# Altium PCB 8路分区电源管理器PCB.PcbDoc (part 1 of 2)
Units mm, origin at the board's own origin, x right, y up, seen from the top; angles counter-clockwise.
Board outline 138.9 x 76.5 mm, 2 copper layers (Top Layer, Bottom Layer); 98 components, 88 nets, 403 pads, 242 vias.
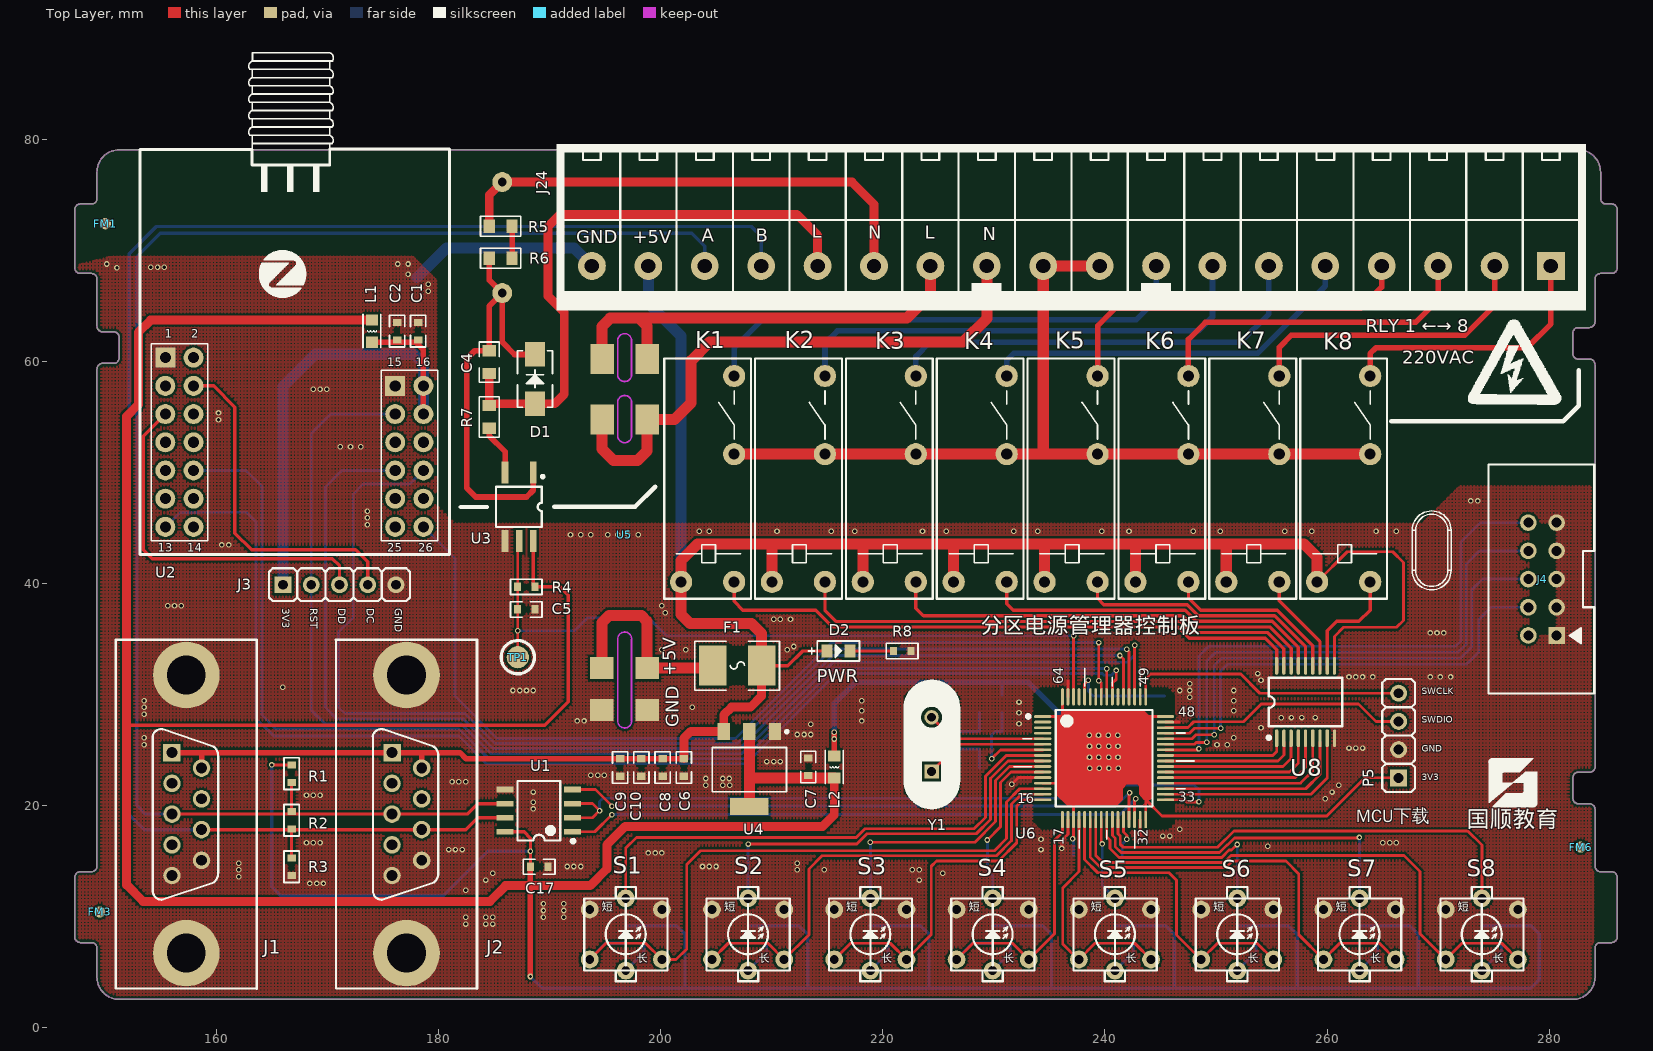
[diagram p0: Top Layer view]
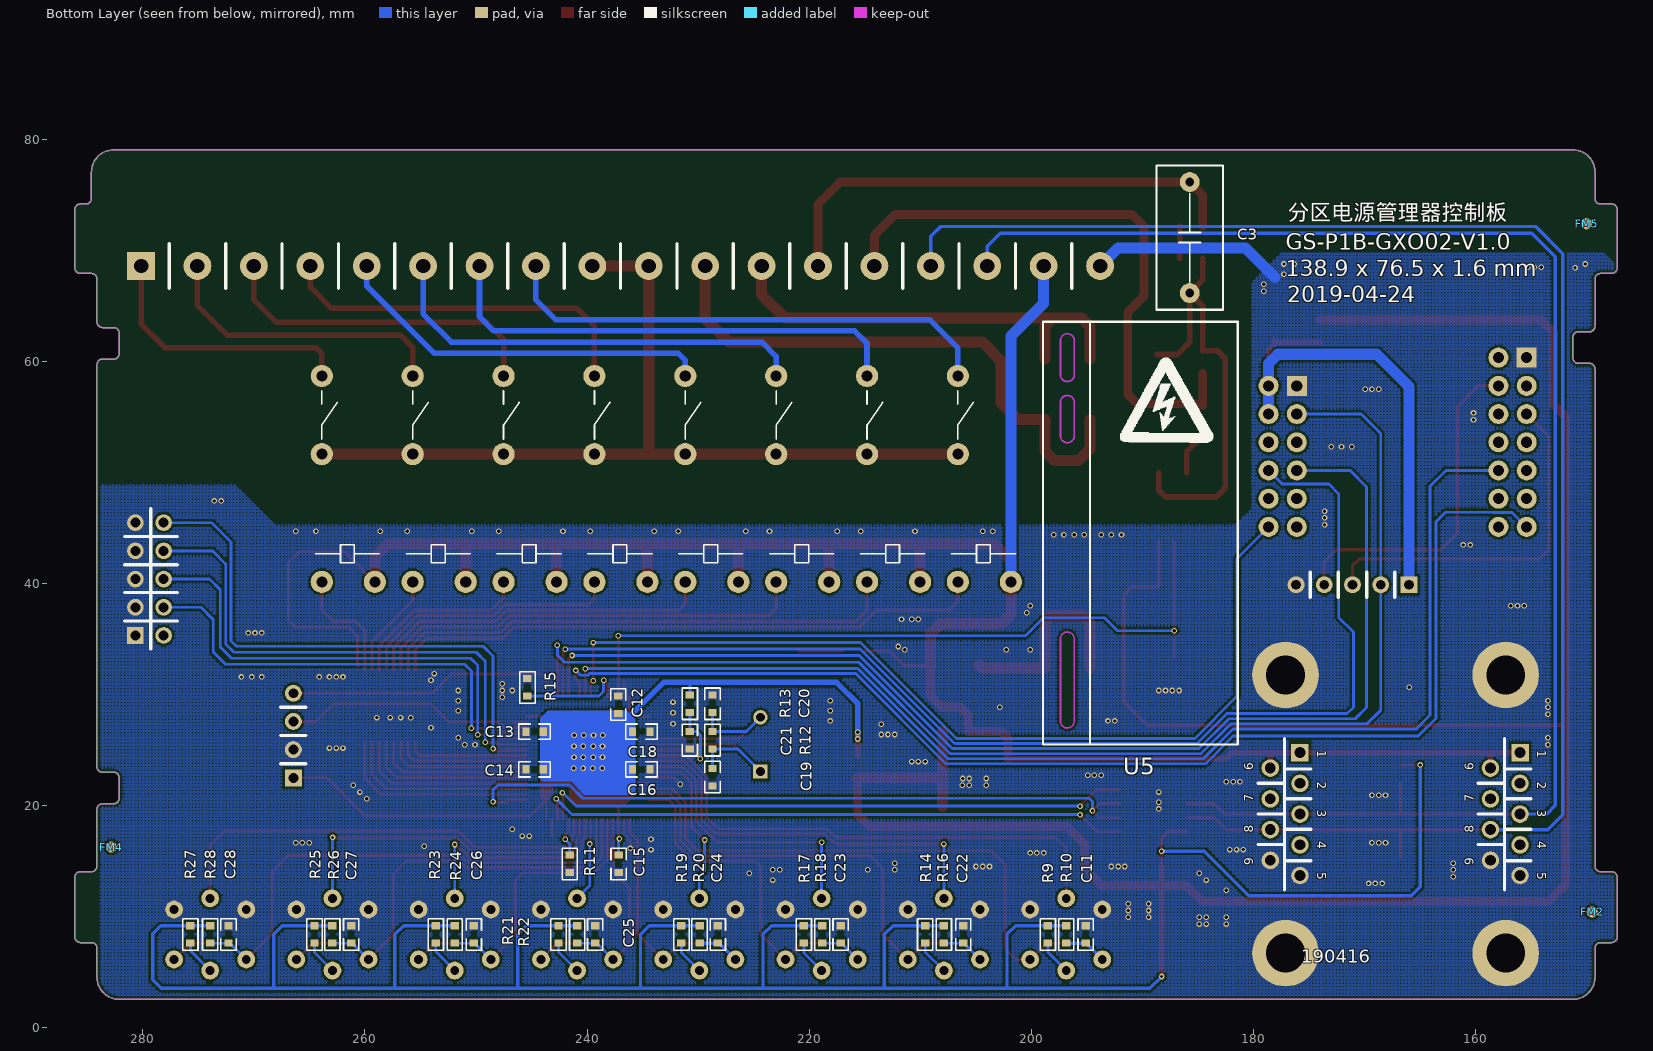
[diagram p1: Bottom Layer view, seen from below]

## Layer stack, top to bottom
Top Solder: solder mask 0.0102, Solder Resist, Dk 3.5
Top Layer: signal copper 0.0356
Dielectric1: dielectric 0.32, FR-4, Dk 4.8
Bottom Layer: signal copper 0.0356
Bottom Solder: solder mask 0.0102, Solder Resist, Dk 3.5

## Board outline
147.73,7.654 148.73,7.654 cw(c148.73,7.154) 149.23,7.154 149.23,4.535 ccw(c151.23,4.535) 151.23,2.535 282.13,2.535 ccw(c282.13,4.535) 284.13,4.535 284.13,7.154 cw(c284.63,7.154) 284.63,7.654 285.63,7.654 ccw(c285.63,8.154) 286.13,8.154 286.13,13.535 ccw(c285.63,13.535) 285.63,14.035 284.63,14.035 cw(c284.63,14.535) 284.13,14.535 284.13,19.651 ccw(c283.63,19.651) 283.63,20.151 282.638,20.151 cw(c282.638,20.651) 282.138,20.651 282.138,22.495 cw(c282.638,22.495) 282.638,22.995 283.638,22.995 ccw(c283.638,23.495) 284.138,23.495 284.138,59.691 284.13,59.691 ccw(c283.63,59.691) 283.63,60.191 282.63,60.191 cw(c282.63,60.691) 282.13,60.691 282.13,62.535 cw(c282.63,62.535) 282.63,63.035 283.63,63.035 ccw(c283.63,63.535) 284.13,63.535 284.13,67.408 cw(c284.63,67.408) 284.63,67.908 285.63,67.908 ccw(c285.63,68.408) 286.13,68.408 286.13,73.662 ccw(c285.63,73.662) 285.63,74.162 285.13,74.162 cw(c285.13,74.662) 284.63,74.662 284.63,77.035 ccw(c282.63,77.035) 282.63,79.035 151.23,79.035 ccw(c151.23,77.035) 149.23,77.035 149.23,74.662 cw(c148.73,74.662) 148.73,74.162 147.73,74.162 ccw(c147.73,73.662) 147.23,73.662 147.23,68.408 ccw(c147.73,68.408) 147.73,67.908 148.73,67.908 cw(c148.73,67.408) 149.23,67.408 149.23,63.154 ccw(c149.73,63.154) 149.73,62.654 150.73,62.654 cw(c150.73,62.154) 151.23,62.154 151.23,60.31 cw(c150.73,60.31) 150.73,59.81 149.73,59.81 ccw(c149.73,59.31) 149.23,59.31 149.23,14.535 cw(c148.73,14.535) 148.73,14.035 147.73,14.035 ccw(c147.73,13.535) 147.23,13.535 147.23,8.154 ccw(c147.73,8.154)

## Design rules (kind name [scope] priority, off if disabled: settings)
Clearance [All] p1: gap=0.203 ignorepadtopadclearanceinfootprint=FALSE except(0: Arc-Hole Track-Hole SMDPad-Hole THPad-Hole Via-Hole Fill-Hole Poly-Hole Region-Hole Text-Hole)
PolygonConnect [All] p1: connectstyle=Direct reliefconductorwidth=0.254 reliefentries=4 polygonreliefangle="90 Angle" airgapwidth=0.254
RoutingVias [All] p1: holewidth=0.711 width=1.27 viastyle="Through Hole" minholewidth=0.711 minwidth=1.27 maxholewidth=0.711 maxwidth=1.27
SilkToSilkClearance [All] p1: silktosilkclearance=0.15
SilkToSolderMaskClearance SilkscreenOverComponentPads [IsPad] p1: minsilkscreentomaskgap=0.15 clearancetoexposedcopper=TRUE
SolderMaskExpansion [All] p1: expansion=0.102
Width [All] p1: maxlimit=4 minlimit=0.254 preferedwidth=0.254
28 further rules are at their usual default settings.

## Classes and differential pairs
component class KEY: C11 C22 C23 C24 C25 C26 C27 C28 R9 R10 R14 R16 R17 R18 R19 R20 R21 R22 R23 R24 R25 R26 R27 R28 S1 S2 S3 S4 S5 S6 S7 S8
component class 继电器输出: K1 K2 K3 K4 K5 K6 K7 K8 U8
component class 总图: J24
component class U_POWER: C6 C7 C8 C9 C10 D2 F1 FM1 FM2 FM3 FM4 FM5 FM6 R8 U4 U5
component class "U_Peripheral CONNECTORS": C1 C2 C3 C4 C5 C17 D1 J1 J2 J3 L1 R1 R2 R3 R4 R5 R6 R7 TP1 U1 U2 U3
net class S-LED[1..8]: S-LED1 S-LED2 S-LED3 S-LED4 S-LED5 S-LED6 S-LED7 S-LED8
net class KEY[1..8]: KEY1 KEY2 KEY3 KEY4 KEY5 KEY6 KEY7 KEY8
net class CON[1..8]: CON1 CON2 CON3 CON4 CON5 CON6 CON7 CON8
net class AC_CON[1..8]: AC_CON1 AC_CON2 AC_CON3 AC_CON4 AC_CON5 AC_CON6 AC_CON7 AC_CON8
component class U_MCU: C12 C13 C14 C15 C16 C18 C19 C20 C21 J4 L2 P5 R11 R12 R13 R15 U6 Y1

## Components (designator, comment, footprint, x,y, rotation, side; value= is the part's Value field where it differs from the comment)
C1 "10nF" C0603 178.156,62.713 r270 top
C2 "1uF" C0603 176.251,62.713 r90 top
C3 "473/250V" CBB-10/13X6 185.725,76.142 r270 bottom
C4 "10uF" C0805 184.556,59.919 r270 top
C5 "10uF" C0603 187.884,37.649 r180 top
C6 "100nF" C0603 202.082,23.419 r90 top
C7 "10uF" C0603 213.284,23.47 r270 top
C8 "100nF" C0603 200.169,23.419 r90 top
C9 "10uF" C0603 196.342,23.419 r90 top
C10 "10uF" C0603 198.255,23.419 r90 top
C11 "100nF" C0603 195.108,8.382 r270 bottom
C12 "10uF" C0603 237.185,29.083 r270 bottom
C13 "100nF" C0603 244.729,26.645 r0 bottom
C14 "100nF" C0603 244.729,23.241 r0 bottom
C15 "100nF" C0603 237.16,14.732 r90 bottom
C16 "100nF" C0603 235.102,23.241 r0 bottom
C17 "100nF" C0603 189.052,14.478 r0 top
C18 "100nF" C0603 235.102,26.645 r180 bottom
C19 "20pF" C0603 228.702,22.555 r270 bottom
C20 "20pF" C0603 228.702,29.159 r90 bottom
C21 "100nF" C0603 230.734,25.883 r270 bottom
C22 "100nF" C0603 206.121,8.382 r270 bottom
C23 "100nF" C0603 217.17,8.382 r270 bottom
C24 "100nF" C0603 228.219,8.382 r270 bottom
C25 "100nF" C0603 239.268,8.382 r270 bottom
C26 "100nF" C0603 250.19,8.382 r270 bottom
C27 "100nF" C0603 261.239,8.382 r270 bottom
C28 "100nF" C0603 272.288,8.382 r270 bottom
D1 "SS14-SMA" DO-214AC/SMA/SOD106 188.671,58.395 r270 top
D2 "红色" LED0805-R 216.002,33.909 r180 top
F1 "3A/5V-1812" F1812 206.883,32.588 r0 top
FM1 "MARK" FIDUCAL_MARK 149.987,72.39 r90 top
FM2 "MARK" FIDUCAL_MARK 149.479,10.414 r90 bottom
FM3 "MARK" FIDUCAL_MARK 149.479,10.414 r90 top
FM4 "MARK" FIDUCAL_MARK 282.829,16.256 r90 bottom
FM5 "MARK" FIDUCAL_MARK 149.987,72.39 r90 bottom
FM6 "MARK" FIDUCAL_MARK 282.829,16.256 r90 top
J1 "DB9-PCB-F" DB9-PCB-F 155.979,24.76 r90 top locked
J2 "DB9-PCB-F" DB9-PCB-F 175.802,24.76 r90 top locked
J3 "HDRM-2.54/11-1*5P-AK" HDRM-2.54-1*5P-AK1 165.989,39.878 r0 top
J4 "DC3-10P" DC3-2*5-2.54-M 280.67,35.306 r90 top
J24 "KF2EDGK5.08-18P" KF2EDGKG5.08-18P 280.162,68.58 r180 top locked
K1 "HF46F/5HS1" RELAY_HF46F 206.605,58.674 r90 top
K2 "HF46F/5HS1" RELAY_HF46F 214.787,58.674 r90 top
K3 "HF46F/5HS1" RELAY_HF46F 222.969,58.674 r90 top
K4 "HF46F/5HS1" RELAY_HF46F 231.152,58.674 r90 top
K5 "HF46F/5HS1" RELAY_HF46F 239.334,58.674 r90 top
K6 "HF46F/5HS1" RELAY_HF46F 247.517,58.674 r90 top
K7 "HF46F/5HS1" RELAY_HF46F 255.699,58.674 r90 top
K8 "HF46F/5HS1" RELAY_HF46F 263.881,58.674 r90 top
L1 "742792042" L0805 173.99,62.713 r270 top
L2 "742792042" L0805 215.621,23.47 r270 top
P5 "HDRM-2.54/11-1*4P-AK" HDRM-2.54-1*4P-AK1 266.446,22.489 r90 top
R1 "5.6k" R0603 166.751,22.86 r90 top
R2 "120Ω" R0603 166.751,18.669 r90 top
R3 "5.6k" R0603 166.751,14.478 r90 top
R4 "10K" R0603 187.884,39.681 r180 top
R5 "510K" R0805 185.582,72.161 r0 top
R6 "510K" R0805 185.582,69.266 r180 top
R7 "1K" R0805 184.556,54.991 r270 top
R8 "2K" R0603 221.742,33.909 r180 top
R9 "300Ω" R0603 198.501,8.382 r270 bottom
R10 "10K" R0603 196.85,8.382 r270 bottom
R11 "10K" R0603 241.554,14.732 r90 bottom
R12 "1M" R0603 228.702,25.883 r90 bottom
R13 "10K" R0603 230.734,29.159 r90 bottom
R14 "300Ω" R0603 209.55,8.382 r270 bottom
R15 "10K" R0603 245.364,30.632 r270 bottom
R16 "10K" R0603 207.863,8.382 r270 bottom
R17 "300Ω" R0603 220.472,8.382 r270 bottom
R18 "10K" R0603 218.821,8.382 r270 bottom
R19 "300Ω" R0603 231.496,8.382 r270 bottom
R20 "10K" R0603 229.87,8.382 r270 bottom
R21 "300Ω" R0603 242.57,8.382 r270 bottom
R22 "10K" R0603 240.901,8.382 r270 bottom
R23 "300Ω" R0603 253.619,8.382 r270 bottom
R24 "10K" R0603 251.914,8.382 r270 bottom
R25 "300Ω" R0603 264.541,8.382 r270 bottom
R26 "10K" R0603 262.926,8.382 r270 bottom
R27 "300Ω" R0603 275.717,8.382 r270 bottom
R28 "10K" R0603 273.939,8.382 r270 bottom
S1 "6X6X7" SW2-6X6X7-Lamp 196.85,8.382 r0 top locked
S2 "6X6X7" SW2-6X6X7-Lamp 207.863,8.382 r0 top
S3 "6X6X7" SW2-6X6X7-Lamp 218.875,8.382 r0 top
S4 "6X6X7" SW2-6X6X7-Lamp 229.888,8.382 r0 top
S5 "6X6X7" SW2-6X6X7-Lamp 240.901,8.382 r0 top
S6 "6X6X7" SW2-6X6X7-Lamp 251.914,8.382 r0 top
S7 "6X6X7" SW2-6X6X7-Lamp 262.926,8.382 r0 top
S8 "6X6X7" SW2-6X6X7-Lamp 273.939,8.382 r0 top
TP1 "TP-2.0-1P-SMD" TP1-2.0/F3.0-S 187.122,33.35 r0 top
U1 "SP3494" SOP8-1.27/4.4 189.027,19.533 r90 top
U2 "ZigBee_Z-0002" MODULE_ZIGBEE_Z-0002 167.005,52.705 r0 top locked
U3 "TLP109" SO6-5P-1.27/3.7 187.249,46.888 r180 top
U4 "AMS1117-3.3V" SOT-223 207.975,23.292 r180 top
U5 "5V2A" Module_RPD10W 198.771,60.203 r180 bottom locked
U6 "STM32F103RCT6" LQFP64 239.918,24.257 r0 top locked
U8 "TD62083AFNG" TSSOP18-0.65/4.4 258.064,29.312 r0 top
Y1 "8MHz" X_HC49-S 224.384,23.06 r90 top

## Footprints (in the part's own frame and the unit in brackets; to place one, negate y for a bottom-side part, rotate by r counter-clockwise, add the part's x,y. Pads: shape width x height; smd on the part's side, far side on the other; paste and mask are expansions set on the pad)
C0603 [mil] "Chip Capacitor, Body 60x30mil"
  rect 25x30 smd: 1(-31,0) 2(31,0)
  Top Layer pour cut-out: -16.73,14.76 -16.73,-14.76 16.73,-14.76 16.73,14.76
  silkscreen extent -56,-27 56,27, body extent -31,-16 32,16, height 31
C0805 [mm] "Chip Capacitor, Body 80x50mil"
  rect 1x1.2 smd: 1(-1.025,0) 2(1.025,0)
  Top Layer pour cut-out: -0.475,0.575 -0.475,-0.575 0.475,-0.575 0.475,0.575
  silkscreen extent -1.82,-0.9 1.82,0.9, body extent -1.03,-0.64 0.97,0.61, height 0.6
CBB-10/13X6 [mm] "CBB电容"
  round 1.8 hole 0.8: 1(0,0) 2(10,0)
  silkscreen extent -1.5,-3 11.5,3
DB9-PCB-F [mil] "DB9,直插,母座"
  rect 62x62 hole 38: 1(0,0)
  round 62 hole 38: 2(-109,0) 3(-218,0) 4(-327,0) 6(-55,-105) 7(-164,-105) 8(-273,-105) 9(-382,-105)
  round 62 hole 39.37: 5(-436,0)
  round 236.22 hole 137.8: 10(275,-51) 11(-711,-51)
  silkscreen extent -836,-301 400,199, body extent -824,-304 392,192, height 486
DC3-2*5-2.54-M [mm] "DC3-10P"
  rect 1.5x1.5 hole 0.9: 1(0,0)
  round 1.5 hole 0.9: 2(0,2.54) 3(2.54,0) 4(2.54,2.54) 5(5.08,0) 6(5.08,2.54) 7(7.62,0) 8(7.62,2.54) 9(10.16,0) 10(10.16,2.54)
  Top Layer pour cut-out: 0,2.54 0,0 10.16,0 10.16,2.54
  silkscreen extent -5.23,-3.4 15.39,6.12, body extent -5.08,-3.23 15.24,5.87, height 9
DO-214AC/SMA/SOD106 [mm]
  rect 2.2x1.8 smd: 1(2.22,0) 2(-2.22,0)
  Top Layer pour cut-out: 1.092,-0.991 1.092,1.016 -1.092,1.016 -1.092,-0.991
  silkscreen extent -2.55,-1.58 2.55,1.58, body extent -2.74,-1.37 2.74,1.42, height 2.29
F1812 [mm] "保险丝"
  rect 2.5x3.6 smd: 1(-2.2,0) 2(2.2,0)
  Top Layer pour cut-out: -0.787,-1.854 0.813,-1.854 0.813,1.88 -0.787,1.88
  silkscreen extent -3.81,-2.2 3.81,2.2, body extent -2.36,-1.74 2.37,1.74, height 1.03
FIDUCAL_MARK [mil]
  round 40 smd paste-20 mask+0: 1(0,0)
HDRM-2.54-1*4P-AK1 [mil] "直插公座,间距2.54,塑高2.5,1*4,立式180度"
  rect 60x60 hole 35: 1(0,0)
  round 60 hole 35: 2(100,0) 3(200,0) 4(300,0)
  silkscreen extent -50,-58 350,58, body extent -50,-52 350,48, height 333
HDRM-2.54-1*5P-AK1 [mil] "直插公座,间距2.54,塑高2.5,1*5,立式180度"
  rect 60x60 hole 35: 1(0,0)
  round 60 hole 35: 2(100,0) 3(200,0) 4(300,0) 5(400,0)
  silkscreen extent -50,-58 450,58, body extent -49,-49 451,51, height 336
KF2EDGKG5.08-18P [mm] "西门子S7-200PLC接线端子,18Pin"
  rect 2.5x2.5 hole 1.3: 1(0,0)
  round 2.5 hole 1.3: 2(5.08,0) 3(10.16,0) 4(15.24,0) 5(20.32,0) 6(25.4,0) 7(30.48,0) 8(35.56,0) 9(40.64,0) 10(45.72,0) 11(50.8,0) 12(55.88,0) 13(60.96,0) 14(66.04,0) 15(71.12,0) 16(76.2,0) 17(81.28,0) 18(86.36,0)
  silkscreen extent -3.18,-10.98 89.56,4.01, body extent -3.21,-11.22 89.57,3.99, height 18.42
L0805 [mm]
  rect 1x1.1 smd: 1(-1,0) 2(1,0)
  Top Layer pour cut-out: -0.505,0.546 -0.505,-0.546 0.486,-0.546 0.486,0.546
  silkscreen extent -1.5,-0.8 1.5,0.8, body extent -1,-0.6 1,0.6, height 0.9
LED0805-R [mm] "红色"
  rect 1x1.2 smd: 1(1.025,0) 2(-1.025,0)
  Top Layer pour cut-out: 0.432,-0.711 -0.432,-0.711 -0.432,0.711 0.432,0.711
  silkscreen extent -1.9,-0.9 2.72,0.9, body extent -1.01,-0.62 1.01,0.63, height 1.1
LQFP64 [mm] "Thin QFP, 64-Leads, Body 10x10mm, Pitch 0.5mm, IPC High Density"
  oval 1.55x0.25 smd paste+0 mask+0.05: 1(-5.525,3.75) 2(-5.525,3.25) 3(-5.525,2.75) 4(-5.525,2.25) 5(-5.525,1.75) 6(-5.525,1.25) 7(-5.525,0.75) 8(-5.525,0.25) 9(-5.525,-0.25) 10(-5.525,-0.75) 11(-5.525,-1.25) 12(-5.525,-1.75) 13(-5.525,-2.25) 14(-5.525,-2.75) 15(-5.525,-3.25) 16(-5.525,-3.75) 33(5.525,-3.75) 34(5.525,-3.25) 35(5.525,-2.75) 36(5.525,-2.25) 37(5.525,-1.75) 38(5.525,-1.25) 39(5.525,-0.75) 40(5.525,-0.25) 41(5.525,0.25) 42(5.525,0.75) 43(5.525,1.25) 44(5.525,1.75) 45(5.525,2.25) 46(5.525,2.75) 47(5.525,3.25) 48(5.525,3.75)
  oval 0.25x1.55 smd paste+0 mask+0.05: 17(-3.75,-5.525) 18(-3.25,-5.525) 19(-2.75,-5.525) 20(-2.25,-5.525) 21(-1.75,-5.525) 22(-1.25,-5.525) 23(-0.75,-5.525) 24(-0.25,-5.525) 25(0.25,-5.525) 26(0.75,-5.525) 27(1.25,-5.525) 28(1.75,-5.525) 29(2.25,-5.525) 30(2.75,-5.525) 31(3.25,-5.525) 32(3.75,-5.525) 49(3.75,5.525) 50(3.25,5.525) 51(2.75,5.525) 52(2.25,5.525) 53(1.75,5.525) 54(1.25,5.525) 55(0.75,5.525) 56(0.25,5.525) 57(-0.25,5.525) 58(-0.75,5.525) 59(-1.25,5.525) 60(-1.75,5.525) 61(-2.25,5.525) 62(-2.75,5.525) 63(-3.25,5.525) 64(-3.75,5.525)
  Top Layer pour cut-out: -6.477,5.791 -5.817,6.452 5.791,6.452 6.477,5.765 6.477,-5.817 5.791,-6.502 -5.74,-6.502 -6.477,-5.766
  silkscreen extent -8.1,-8.1 8.1,8.1, body extent -5.79,-5.79 5.79,5.79, height 1
Module_RPD10W [mm] "隔离稳压电源模块"
  rect 2.1x2.7 smd far side: 1(0,0) 1(4.054,0) 2(0,-5.44) 2(4.054,-5.44)
  rect 2.1x2 smd far side: 3(0,-27.818) 3(4.08,-27.818) 4(0,-31.618) 4(4.08,-31.618)
  Keep-Out Layer lines w0.15: 2.651,-32.606 2.651,-25.231 ; 2.651,-6.994 2.651,-3.942 ; 2.651,-6.906 cw(c2.026,-6.906) 1.401,-6.906 ; 2.651,-3.906 ccw(c2.026,-3.906) 1.401,-3.906 ; 2.651,-1.406 cw(c2.026,-1.406) 1.401,-1.406 ; 2.651,-1.402 2.651,1.656 ccw(c2.026,1.656) 1.401,1.656 1.401,-1.402 ; 2.646,-32.606 cw(c2.021,-32.606) 1.396,-32.606 ; 2.646,-25.206 ccw(c2.021,-25.206) 1.396,-25.206 ; 1.401,-32.606 1.401,-25.231 ; 1.401,-6.966 1.401,-3.916
  silkscreen extent -0.18,-34.73 17.37,3.35, body extent 1.38,-34.5 17.03,3, height 18.25
MODULE_ZIGBEE_Z-0002 [mm] "蜂汇ZigBee模块"
  rect 1.8x1.8 hole 1: 1(-11.62,7.62) 15(9.08,5.08)
  round 1.8 hole 1: 2(-9.08,7.62) 3(-11.62,5.08) 4(-9.08,5.08) 5(-11.62,2.54) 6(-9.08,2.54) 7(-11.62,0) 8(-9.08,0) 9(-11.62,-2.54) 10(-9.08,-2.54) 11(-11.62,-5.08) 12(-9.08,-5.08) 13(-11.62,-7.62) 14(-9.08,-7.62) 16(11.62,5.08) 17(9.08,2.54) 18(11.62,2.54) 19(9.08,0) 20(11.62,0) 21(9.08,-2.54) 22(11.62,-2.54) 23(9.08,-5.08) 24(11.62,-5.08) 25(9.08,-7.62) 26(11.62,-7.62)
  silkscreen extent -13.91,-10.11 13.96,35.07, body extent -13.03,-10.07 12.97,35.13, height 7.73
R0603 [mil]
  rect 25x30 smd: 1(-31,0) 2(31,0)
  Top Layer pour cut-out: -16.73,14.76 -16.73,-14.76 16.73,-14.76 16.73,14.76
  silkscreen extent -56,-27 56,27, body extent -32,-16 34,16, height 22
R0805 [mm]
  rect 1x1.2 smd: 1(-1.025,0) 2(1.025,0)
  Top Layer pour cut-out: -0.441,0.584 -0.441,-0.584 0.448,-0.584 0.448,0.584
  silkscreen extent -1.82,-0.9 1.82,0.9, body extent -1.15,-0.67 1.15,0.68, height 0.76
RELAY_HF46F [mm] "HF46F,20.5X7.0X15.3,继电器"
  round 2 hole 1: 1(0,0) 2(-7.036,0) 3(-18.542,0) 4(-18.542,4.775)
  silkscreen extent -20.07,-1.52 1.57,6.3, body extent -19.55,-1.12 0.85,5.89, height 15.29
SO6-5P-1.27/3.7 [mm]
  rect 0.6x2 smd: 1(-1.27,-3.083) 3(1.27,-3.083) 4(1.27,3.083) 5(0,3.083) 6(-1.27,3.083)
  silkscreen extent -2.25,-2.85 2.08,1.8, body extent -1.8,-3.55 1.8,3.45, height 2.5
SOP8-1.27/4.4 [mil]
  rect 20x59.06 smd: 1(-75,-119) 2(-25,-119) 3(25,-119) 4(75,-119) 5(75,120) 6(25,120) 7(-25,120) 8(-75,120)
  Top Layer pour cut-out: -63,-87 -63,-149 -39,-149 -39,-87
  Top Layer pour cut-out: -13,-87 -13,-149 11,-149 11,-87
  Top Layer pour cut-out: 37,-87 37,-149 61,-149 61,-87
  Top Layer pour cut-out: 38,149 38,87 62,87 62,149
  Top Layer pour cut-out: -12,149 -12,87 12,87 12,149
  Top Layer pour cut-out: -62,149 -62,87 -38,87 -38,149
  silkscreen extent -114,-127 105,76, body extent -99,-121 99,117, height 63
SOT-223 [mm]
  rect 1.1x1.55 smd: 1(-2.3,-3.375) 2(0,-3.375) 3(2.3,-3.375)
  rect 3.45x1.55 smd: 4(0,3.375)
  Top Layer pour cut-out: 0.584,-2.603 0.584,-4.115 1.727,-4.115 1.727,-2.603
  Top Layer pour cut-out: -1.727,-2.604 -1.727,-4.115 -0.584,-4.115 -0.584,-2.603
  silkscreen extent -3.5,-3.48 3.35,2.06, body extent -3.22,-3.57 3.28,3.36, height 1.59
SW2-6X6X7-Lamp [mm] "6X6按键开关，带灯"
  round 1.6 hole 0.8: 1(-3.25,2.25) 2(-3.25,-2.25) 3(3.25,2.25) 4(3.25,-2.25) 5(0,-3.25) 6(0,3.25)
  silkscreen extent -3.73,-4.22 3.76,4.27, body extent -5.02,-5 4.98,5, height 9.91
TP1-2.0/F3.0-S [mm]
  round 2 smd mask+0.2: 1(0,0)
  silkscreen extent -1.5,-1.5 1.5,1.5
TSSOP18-0.65/4.4 [mm] "Shrink Small Outline; 18 Leads; Body 6.8x4.4mm; Pitch 0.65 mm"
  oval 0.3x1.6 smd: 1(-2.6,-3.258) 2(-1.95,-3.258) 3(-1.3,-3.258) 4(-0.65,-3.258) 5(0,-3.258) 6(0.65,-3.258) 7(1.3,-3.258) 8(1.95,-3.258) 9(2.6,-3.258) 10(2.6,3.258) 11(1.95,3.258) 12(1.3,3.258) 13(0.65,3.258) 14(0,3.258) 15(-0.65,3.258) 16(-1.3,3.258) 17(-1.95,3.258) 18(-2.6,3.258)
  silkscreen extent -3.45,-3.35 3.3,2.18, body extent -3.15,-3.23 3.15,3.17, height 1.2
X_HC49-S [mm] "直插HC-49S"
  rect 1.3x1.3 hole 0.8: 1(0,0)
  round 1.3 hole 0.8: 2(4.88,0)
  Top Layer pour cut-out: -1.956,2.616 -3.454,1.118 -3.454,-1.168 -1.981,-2.642 6.807,-2.642 8.331,-1.118 8.331,1.118 6.833,2.616
  silkscreen extent -3.28,-2.49 8.15,2.44, body extent -3.27,-2.37 8.08,2.28, height 3.6

## Part data
C1: library part 10nF_16V_0603, "Capacitor", 规格/型号=10nF,16
C2: library part 1uF_25V_X7R_0603, "Capacitor", 规格/型号=1uF,25V,X7
C3: library part CBB-473/250V, "CBB", 规格/型号=CBB,473,250V,½Å¾
C4: library part 10uF_25V_±10%_X7R_0805, "CAP,10uF,106K,25V,±10%,X7R,0805", 供应商=https://detail.tmall.com/item.htm?id=41292633455&ali_refid=a3_430583_1006:1109983619:N:0805%2010uf:100c1b5182542bfe0f4941751bbe292f&ali_trackid=1_100c1b5182542bfe0f4941751bbe292f&spm=a230r.1.14.1&skuId=381296354, 单价=0., 参数=25V,±10%, 规格/型号=10uF,106K,25V,±10%,
C5 C7 C9 C10 C12: library part 10uF_16V_0603, "Capacitor", 规格/型号=10uF,16
C6 C8 C11 C13 C14 C15 C16 C17 C18 C21 C22 C23 C24 C25 C26 C27 C28: library part 100nF_50V_0603, "Capacitor"
  C6 C8 C13 C14 C15 C16 C18 C21: 规格/型号=100nF,50
  C11 C17 C22 C23 C24 C25 C26 C27 C28: 物料名称=Ì, 规格/型号=100nF,50V,0
C19 C20: library part 20pF_50V_0603, "Capacitor", 规格/型号=20pF,50
D1: library part SS14_DO-214AC/SMA, "SS14,1A/40V,SMA", 供应商=https://item.taobao.com/item.htm?spm=a1z10.3-c-s.w4002-16569462289.12.3c256a4bZbu252&id=54542112, 单价=0., 参数=1A/4, 品牌=M, 规格/型号=SS14,1A/40V,SMA/DO
D2: library part LED-0805-红, "0805 LED", 编码=10103020, 规格/型号=0
F1: library part Fuse-3A/5V-1812, "3A/5V", 编码=10111010, 规格/型号=3A，5V
FM1 FM2 FM3 FM4 FM5 FM6: library part FIDUCIAL_MARK, "MARK标志", 编码=Î
J1 J2: "DB9,直插母座", 编码=101170701, 规格/型号="DB9,母头,直插 立式 180度,带"
J3 P5: "排针,直"
J24: "KF2EDGK5.08"
K1 K2 K3 K4 K5 K6 K7 K8: library part HF46F/5HS1-5VDC, "HF46F/5HS1,5V,容量 3A 250VAC/5A 30VDC,线圈功率200mW", 参数="3A 250VAC/5A 30VDC,ÏßÈ", 编码=10110010, 规格/型号=HF46F/5
L1: library part L_BEAD-742792042-0805, "WE-CBF,600@100M,500Ohm,200mA,0805,742792042", 规格/型号=WE-CBF,磁珠,600@100M,500Ohm,200mA,0805
L2: library part BEAD-742792042_0805, "磁珠,WE-CBF,600@100M, / 500Ohm,200mA,0805,742792042", 单价=0., 规格/型号=WE-CBF,磁珠,600@100M，500Ohm,200mA,08
R1 R3: library part 5.6K_5%_0603, "5.6K,±5%,0603", 单价=0., 规格/型号=5.6K,¡
R2: library part 120Ω_5%_0603, "120Ω,±5%,0603", 单价=0., 规格/型号=120Ω
R4 R10 R11 R13 R15 R16 R18 R20 R22 R24 R26 R28: library part 10K_5%_0603, "10K,±5%,0603"
  R4 R11 R13 R15: 单价=0., 规格/型号=10K,¡
  R10 R16 R18 R20 R22 R24 R26 R28: 单价=0.0, 参数=±, 物料名称=Ì, 规格/型号=10K,±5%,
R5 R6: library part 510K_0805_5%, 编码=10101010, 规格/型号=510K_0
R7: library part 1K_5%_0805, "1K,±5%,0805", 单价=0., 编码=10101010, 规格/型号=1K,¡
R8: library part 2K_5%_0603, "2K,±5%,0603", 单价=0., 规格/型号=2K,¡
R9 R14 R17 R19 R21 R23 R25 R27: library part 300Ω_5%_0603, "300Ω,±5%,0603", 单价=0.0, 参数=±, 物料名称=Ì, 规格/型号=300Ω,±5%
R12: library part 1M_5%_0603, "1M,±5%,0603", 单价=0., 规格/型号=1M,¡
S1 S2 S3 S4 S5 S6 S7 S8: library part SW-PB_6X6X7-6P-LAMP, "6X6X7,带灯,6PIN"
TP1: "测试点", 编码=Î
U1: library part SP3494_SOP8, "485通信芯片", 编码=10105010, 规格/型号=SP3494
U2: library part Module_ZigBee_Z-0002, "zigbee模块", 供应商=https://item.taobao.com/item.htm?spm=2013.1.0.0.78a73417EKZBvr&id=190519244, 单价=4, 品牌=·, 物料名称=µ, 规格/型号=ZigBee模块,蜂汇Z-0002,带PA,CC2530+CC2591,SM
U3: library part OPTO_TLP109-SO6, "光耦", 品牌=TOSHI, 编码=10105010, 规格/型号=TLP109,SO6,T
U4: library part AMS1117-3.3V-SOT223, "三端稳压", 编码=10104020, 规格/型号=AMS1117-3.3£
U5: library part Module_RPD10W05E202S, "AC/DC模块", 供应商=https://item.taobao.com/item.htm?spm=2013.1.0.0.3db92e5exHUaLw&id=54985101, 规格/型号=AC-DC降压模块,瑞普达,RPDZ
U6: library part STM32F103RCT6-LQFP64_1, "ARM Cortex-M3 32-bit MCU, 256 KB Flash, 48 KB Internal RAM, 51 I/Os, 64-pin LQFP, -40 to 85 degC, Tray", 物料名称=Ì, 编码=101050125, 规格/型号=STM32F103RCT6,LQF
U8: library part TD62083AFNG_TSSOP18_(LOGIC), "驱动IC", 单价=1, 规格/型号=TD62083AFNG,T
Y1: library part CRYSTAL_8M_HC49S, "8MHz,HC-49S", 编码=10112010, 规格/型号=8MHz,HC-4
J4: 编码=10117010, 规格/型号=2.54MM,DC3-10P,2*5P,1

## Via types
v1: diameter 0.5, hole 0.3, Top Layer to Bottom Layer, tented both sides, 242 vias

## Nets (pads, with @x,y where several pads share a name; then routed paths per layer and width w, separated by ;. In a path a pad name is that pad's centre, name@x,y a point inside that pad or via, vN(x,y) a via of type N, cw(c..) or ccw(c..) an arc to the next point about the centre after c; other vN are vias at no path point)
485_CON1: U1.2 U1.3 U6.33 | length 65.2
  Top Layer w0.254: U1.2@192.049,18.898 193.853,18.898 v1(194.488,19.533) 193.853,20.168 U1.3@192.049,20.168 ; U6.33@245.443,20.507 247.158,20.507 247.345,20.32 v1(248.463,20.32)
  Bottom Layer w0.254: v1(194.488,19.533) 194.488,20.345 194.793,20.65 240.386,20.65 241.579,21.844 248.031,21.844 248.463,21.412 v1(248.463,20.32)
+3V3: C7.2 C17.1 L1.1 L2.2 R1.2 R4.1 R9.1 R10.1 R14.1 R16.1 R17.1 R18.1 R19.1 R20.1 R21.1 R22.1 R23.1 R24.1 R25.1 R26.1 R27.1 R28.1 U1.8 U3.6 U4.2 U4.4 | length 443.9
  Top Layer w0.3: 151.892,27.229 189.56,27.229 191.668,29.337 191.668,38.938 190.926,39.681 R4.1@188.671,39.681 188.519,39.833 U3.6@188.519,43.806 ; v1(164.973,23.647) R1.2@166.751,23.647 ; U1.8@185.979,17.628 187.706,17.628 188.265,17.069 v1(188.265,15.875) C17.1@188.265,14.478
  Top Layer w0.5: v1(188.265,4.597) 188.265,12.776 C17.1@188.265,14.478
  Top Layer w0.8: L1.1@173.99,63.713 154.06,63.713 152.959,62.611 152.959,56.109 151.892,55.042 151.892,27.229 151.892,12.852 153.391,11.354 184.607,11.354 186.03,12.776 188.265,12.776 193.65,12.776 195.148,14.275 195.148,16.459 196.799,18.11 214.579,18.11 215.621,19.152 L2.2@215.621,22.47
  Top Layer w1: U4.4@207.975,19.917 207.975,22.507 ; U4.2@207.975,26.667 207.975,22.507 ; L2.2@215.621,22.47 208.013,22.47 207.975,22.507
  Bottom Layer w0.3: v1(164.973,23.647) 164.973,12.675 165.786,11.862 180.416,11.862 184.429,15.875 v1(188.265,15.875) ; v1@188.252,4.585 189.306,3.531 202.184,3.531 ; R10.1@196.85,9.169 R9.1@198.501,9.169 201.397,9.169 202.184,8.382 202.184,3.531 ; R16.1@207.863,9.169 R14.1@209.55,9.169 212.446,9.169 213.233,8.382 213.233,3.531 ; R18.1@218.821,9.169 R17.1@220.472,9.169 223.368,9.169 224.155,8.382 224.155,3.531 ; R20.1@229.87,9.169 R19.1@231.496,9.169 234.391,9.169 235.179,8.382 235.179,3.531 ; R22.1@240.901,9.169 R21.1@242.57,9.169 245.466,9.169 246.253,8.382 246.253,3.531 ; R24.1@251.914,9.169 R23.1@253.619,9.169 256.515,9.169 257.302,8.382 257.302,3.531 ; R26.1@262.926,9.169 R25.1@264.541,9.169 267.437,9.169 268.224,8.382 268.224,3.531 ; R28.1@273.939,9.169 R27.1@275.717,9.169 278.384,9.169 279.121,8.433 279.121,4.318 278.333,3.531 268.224,3.531 ; 202.184,3.531 213.233,3.531 ; 213.233,3.531 224.155,3.531 ; 224.155,3.531 235.179,3.531 ; 235.179,3.531 246.253,3.531 ; 246.253,3.531 257.302,3.531 ; 257.302,3.531 268.224,3.531
+3V3-Z: C1.2 C2.1 J3.1 L1.2 U2.16 U2.18 | length 47.6
  Top Layer w0.5: L1.2@173.99,61.713 C1.2@177.943,61.713 ; C1.2@178.156,61.925 C1.2@177.943,61.713 ; U2.18@178.625,55.245 U2.16@178.625,57.785 178.625,61.03 C1.2@177.943,61.713
  Bottom Layer w1: J3.1@165.989,39.878 165.989,57.734 168.885,60.63 177.8,60.63 178.625,59.804 U2.16@178.625,57.785 U2.18@178.625,55.245
+5V: C6.2 C8.2 C9.2 C10.2 D2.1 F1.2 J1.1 J1.6 J2.1 J2.6 J24.17 K1.4 K2.4 K3.4 K4.4 K5.4 K6.4 K7.4 K8.4 U4.3 U8.10 | length 219.9
  Top Layer w0.254: K8.4@259.106,40.132 261.824,42.85 265.913,42.85 266.878,41.885 266.878,36.652 266.268,36.043 261.493,36.043 260.664,35.214 U8.10@260.664,32.57
  Top Layer w0.3: F1.2@209.083,32.588 211.455,32.588 212.776,33.909 D2.1@214.977,33.909
  Top Layer w0.5: J1.1@155.979,24.76 158.598,24.76 ; J1.6@158.646,23.363 158.646,24.712 158.598,24.76 ; J2.6@178.469,23.363 178.469,24.692 178.537,24.76 ; C6.2@202.082,24.206 C8.2@200.169,24.206 C10.2@198.255,24.206 C9.2@196.342,24.206 182.474,24.206 181.919,24.76 178.537,24.76 ; 158.598,24.76 J2.1@175.802,24.76 178.537,24.76
  Top Layer w0.8: C6.2@202.082,24.206 202.082,26.035 202.714,26.667 U4.3@205.675,26.667 205.675,28.155 206.375,28.854 208.077,28.854 209.083,29.861 F1.2@209.083,32.588
  Top Layer w1: F1.2@209.083,32.588 209.083,35.468 208.153,36.398 202.641,36.398 201.829,37.21 K1.4@201.829,40.132 201.829,42.063 203.327,43.561 242.824,43.561 ; K2.4@210.012,40.132 210.012,43.478 ; K3.4@218.194,40.132 218.194,43.478 ; K4.4@226.377,40.132 226.377,43.478 ; K5.4@234.559,40.132 234.559,43.478 ; K6.4@242.741,40.132 242.741,43.478 242.824,43.561 ; K7.4@250.924,40.132 250.924,43.462 250.825,43.561 ; K8.4@259.106,40.132 259.106,42.366 257.912,43.561 250.825,43.561 ; 242.824,43.561 250.825,43.561
  Bottom Layer w1: J24.17@198.882,68.58 198.882,65.202 201.829,62.254 K1.4@201.829,40.132
A: J1.3 J2.3 J24.16 R1.1 R2.2 U1.6 | length 140.2
  Top Layer w0.3: J1.3@155.979,19.223 J2.3@175.802,19.223 182.571,19.223 183.515,20.168 U1.6@185.979,20.168 ; R2.2@166.751,19.456 R1.1@166.751,22.073
  Bottom Layer w0.3: J1.3@155.979,19.223 153.598,19.223 152.806,20.015 152.806,69.393 154.94,71.526 202.794,71.526 203.962,70.358 J24.16@203.962,68.58
AC_CHECK: C5.2 R4.2 TP1.1 U3.5 U6.62 | length 67.2
  Top Layer w0.254: TP1.1@187.122,33.35 v1(187.122,35.738) 187.122,43.679 U3.5@187.249,43.806 ; U6.62@237.168,29.782 237.168,35.264 v1(237.185,35.281)
  Bottom Layer w0.254: v1(187.122,35.738) 192.227,35.738 193.396,36.906 198.882,36.906 200.508,35.281 v1(237.185,35.281)
AC_CON1: U6.41 U8.1 | length 11
  Top Layer w0.254: U6.41@245.443,24.507 255.114,24.507 255.464,24.857 U8.1@255.464,25.698
AC_CON2: U6.40 U8.2 | length 12
  Top Layer w0.254: U6.40@245.443,24.007 255.579,24.007 256.114,24.542 U8.2@256.114,25.698
AC_CON3: U6.39 U8.3 | length 13.1
  Top Layer w0.254: U6.39@245.443,23.507 256.044,23.507 256.764,24.227 U8.3@256.764,25.698
AC_CON4: U6.38 U8.4 | length 14.2
  Top Layer w0.254: U6.38@245.443,23.007 256.611,23.007 257.414,23.81 U8.4@257.414,25.698
AC_CON5: U6.37 U8.5 | length 15.3
  Top Layer w0.254: U6.37@245.443,22.507 257.152,22.507 258.064,23.419 U8.5@258.064,25.698
AC_CON6: U6.36 U8.6 | length 16.3
  Top Layer w0.254: U6.36@245.443,22.007 257.617,22.007 258.714,23.104 U8.6@258.714,25.698
AC_CON7: U6.35 U8.7 | length 17.4
  Top Layer w0.254: U6.35@245.443,21.507 258.083,21.507 259.364,22.788 U8.7@259.364,25.698
AC_CON8: U6.34 U8.8 | length 18.4
  Top Layer w0.254: U6.34@245.443,21.007 258.548,21.007 260.014,22.473 U8.8@260.014,25.698
B: J1.8 J2.8 J24.15 R2.1 R3.2 U1.7 | length 148.9
  Top Layer w0.3: J1.8@158.646,17.826 R2.1@166.751,17.826 ; R3.2@166.751,15.265 R2.1@166.751,17.826 ; R2.1@166.751,17.882 R2.1@166.751,17.826 ; U1.7@185.979,18.898 183.515,18.898 182.444,17.826 J2.8@178.469,17.826 R2.1@166.751,17.826
  Bottom Layer w0.3: J1.8@158.646,17.826 153.497,17.826 152.146,19.177 152.146,69.698 154.584,72.136 208.153,72.136 209.042,71.247 J24.15@209.042,68.58
BOOT0: R15.2 U6.60 | length 9.7
  Top Layer w0.254: U6.60@238.168,29.782 238.168,30.93 v1(238.506,31.267)
  Bottom Layer w0.254: v1(238.506,31.267) 238.506,30.277 238.938,29.845 R15.2@245.364,29.845
BOOT1: R11.2 U6.28 | length 3.5
  Top Layer w0.254: U6.28@241.668,18.732 241.668,17.597 241.976,17.29 v1(241.976,16.95)
  Bottom Layer w0.254: R11.2@241.554,15.519 241.554,16.528 v1(241.976,16.95)
CON1: J24.8 K1.1 | length 45.4
  Bottom Layer w0.5: K1.1@206.605,58.674 206.605,61.19 209.169,63.754 242.824,63.754 244.602,65.532 J24.8@244.602,68.58
CON2: J24.7 K2.1 | length 43.4
  Bottom Layer w0.5: K2.1@214.787,58.674 214.787,61.625 215.9,62.738 248.412,62.738 249.682,64.008 J24.7@249.682,68.58
CON3: J24.6 K3.1 | length 39.5
  Bottom Layer w0.5: K3.1@222.969,58.674 222.969,60.439 224.252,61.722 252.222,61.722 254.762,64.262 J24.6@254.762,68.58
CON4: J24.5 K4.1 | length 34.7
  Bottom Layer w0.5: K4.1@231.152,58.674 231.152,60.083 231.775,60.706 253.746,60.706 259.842,66.802 J24.5@259.842,68.58
CON5: J24.4 K5.1 | length 33.5
  Top Layer w0.5: K5.1@239.334,58.674 239.334,63.195 240.91,64.77 263.017,64.77 264.922,66.675 J24.4@264.922,68.58
CON6: J24.3 K6.1 | length 30.3
  Top Layer w0.5: K6.1@247.517,58.674 247.517,61.97 249.047,63.5 267.97,63.5 270.002,65.532 J24.3@270.002,68.58
CON7: J24.2 K7.1 | length 27.1
  Top Layer w0.5: K7.1@255.699,58.674 255.699,61.262 256.794,62.357 272.415,62.357 275.082,65.024 J24.2@275.082,68.58
CON8: J24.1 K8.1 | length 24.6
  Top Layer w0.5: K8.1@263.881,58.674 263.881,60.681 264.414,61.214 278.003,61.214 280.162,63.373 J24.1@280.162,68.58